# KiCad board jetson-nano-baseboard.kicad_pcb (continued)
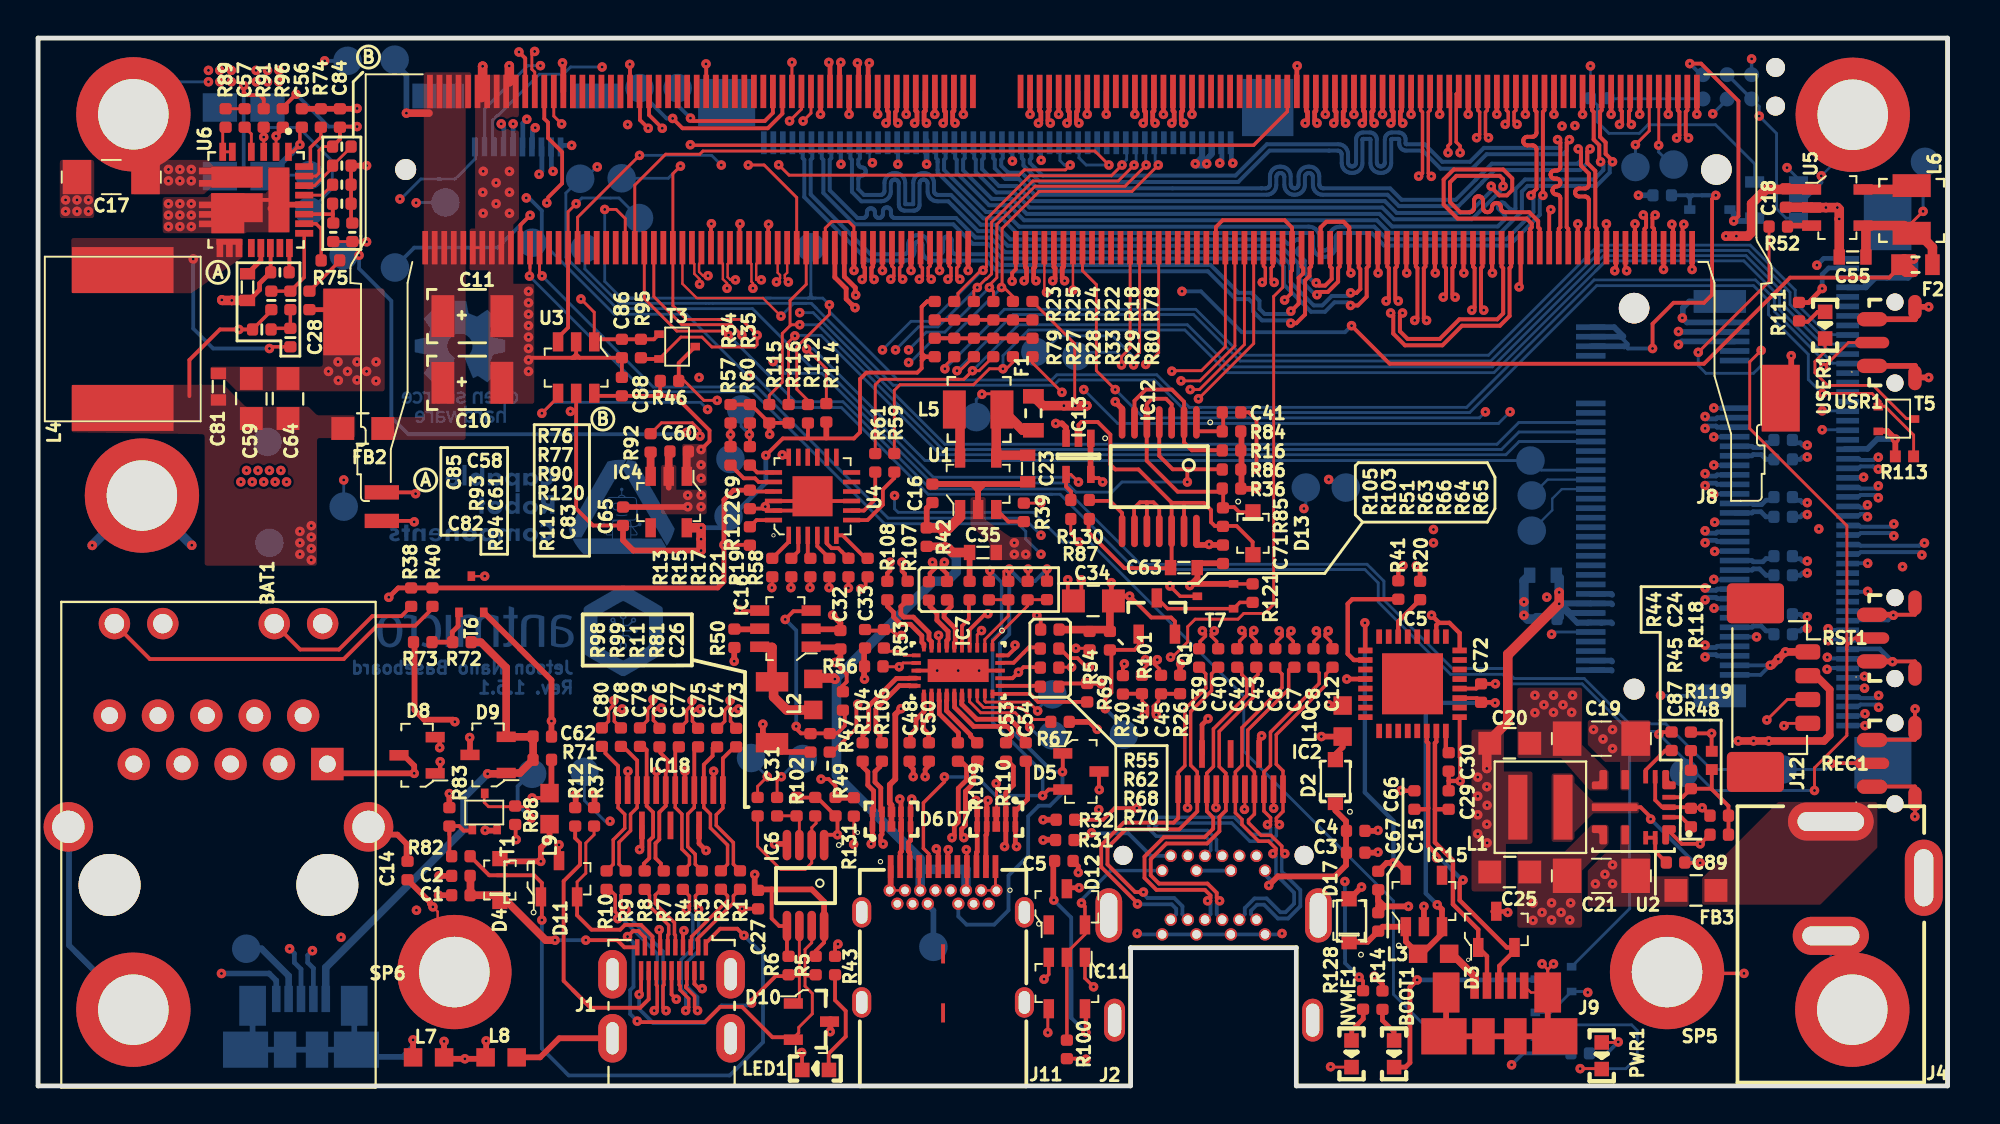
[diagram p0: board, top side]
## Routing (per net, layer and track width the routed paths; a pad name or vN(x,y) marks a point on that pad's centre or on a via; arc(x,y) is an arc through that point) (continued)
  Bottom w0.21: 94.84,32.44 95.57,32.44 95.66,32.52 96.33,32.52 96.48,32.37
  vias: v1(96.59,32.37)
/CSI/CSI_A_CLK_P: length 43.3
  Top w0.21: M1.12 84.32,44.99 84.4,45.07 84.4,45.57 v1(84.26,45.72)
  In3_SIGNAL.Cu w0.138: 96.48,33 96.29,32.82 96.14,32.82 95.74,33.22 95.74,41.63 94.77,42.6 92.29,42.6 92.26,42.6 92.23,42.61 92.21,42.63 92.18,42.65 92.17,42.68 92.16,42.71 92.15,42.74 92.15,42.9 92.15,42.99 92.12,43.07 92.07,43.14 92.01,43.2 91.94,43.24 91.86,43.27 91.78,43.28 91.73,43.28 91.65,43.27 91.57,43.24 91.49,43.2 91.44,43.14 91.39,43.07 91.36,42.99 91.35,42.9 91.35,41.66 91.35,41.63 91.34,41.6 91.32,41.57 91.3,41.55 91.27,41.54 91.25,41.52 91.21,41.52 91.18,41.52 91.15,41.54 91.13,41.55 91.11,41.57 91.09,41.6 91.08,41.63 91.08,41.66 91.08,42.9 91.07,42.99 91.04,43.07 90.99,43.14 90.93,43.2 90.86,43.24 90.78,43.27 90.7,43.28 90.65,43.28 90.57,43.27 90.49,43.24 90.42,43.2 90.36,43.14 90.31,43.07 90.28,42.99 90.27,42.9 90.27,41.66 90.27,41.63 90.26,41.6 90.24,41.57 90.22,41.55 90.2,41.54 90.17,41.52 90.14,41.52 90.11,41.52 90.08,41.54 90.05,41.55 90.03,41.57 90.01,41.6 90,41.63 90,41.66 90,43.1 89.99,43.19 89.96,43.27 89.92,43.34 89.86,43.4 89.78,43.44 89.7,43.47 89.62,43.48 89.57,43.48 89.49,43.47 89.41,43.44 89.34,43.4 89.28,43.34 89.23,43.27 89.21,43.19 89.2,43.1 89.2,41.66 89.19,41.63 89.18,41.6 89.17,41.57 89.14,41.55 89.12,41.54 89.09,41.52 89.06,41.52 89.03,41.52 89,41.54 88.97,41.55 88.95,41.57 88.93,41.6 88.92,41.63 88.92,41.66 88.92,42.22 88.91,42.31 88.88,42.39 88.84,42.46 88.78,42.52 88.71,42.56 88.63,42.59 88.54,42.6 88.41,42.6 88.05,42.24 88.05,41.99 87.62,41.56 87.44,41.56 87.16,41.83 87.16,42.12 87.73,42.69 87.73,44.27 88.14,44.68 88.14,46 87.39,46.74 86.52,46.74 86.48,46.75 86.44,46.76 86.41,46.78 86.38,46.81 86.36,46.84 86.35,46.88 86.35,46.91 86.35,47.54 86.34,47.63 86.31,47.72 86.26,47.79 86.2,47.86 86.12,47.91 86.03,47.94 85.94,47.95 85.89,47.95 85.8,47.94 85.72,47.91 85.64,47.86 85.57,47.79 85.53,47.72 85.5,47.63 85.49,47.54 85.49,46.91 85.48,46.88 85.47,46.84 85.45,46.81 85.42,46.78 85.39,46.76 85.35,46.75 85.32,46.74 84.92,46.74 84.44,46.26 84.44,45.9 v1(84.26,45.72)
  Bottom w0.21: 94.84,32.94 95.57,32.94 95.66,32.85 96.33,32.85 96.48,33
  vias: v1(96.59,33)
/CSI/CSI_A_D0_N: length 43.5
  Top w0.21: M1.4 86.32,45.16 v1(86.38,45.23)
  In3_SIGNAL.Cu w0.138: v1(96.59,30.87) 96.41,31.05 95.5,31.05 94.84,31.71 94.84,37.71 94.83,37.73 94.83,37.75 94.82,37.77 94.8,37.79 94.78,37.8 94.76,37.8 94.74,37.81 94.59,37.81 94.52,37.81 94.45,37.84 94.38,37.88 94.33,37.93 94.29,38 94.27,38.07 94.26,38.14 94.26,38.33 94.27,38.41 94.29,38.48 94.33,38.54 94.38,38.6 94.45,38.64 94.52,38.66 94.59,38.67 94.74,38.67 94.76,38.67 94.78,38.68 94.8,38.69 94.82,38.7 94.83,38.72 94.83,38.74 94.84,38.76 94.84,39.52 94.25,40.11 94.14,40.11 94.06,40.12 93.98,40.14 93.91,40.19 93.85,40.25 93.8,40.32 93.78,40.4 93.77,40.48 93.77,41 93.76,41.03 93.75,41.06 93.74,41.09 93.71,41.11 93.69,41.12 93.66,41.14 93.63,41.14 93.6,41.14 93.57,41.12 93.54,41.11 93.52,41.09 93.5,41.06 93.49,41.03 93.49,41 93.49,39.35 93.48,39.27 93.45,39.19 93.41,39.12 93.35,39.06 93.28,39.01 93.2,38.98 93.11,38.98 93.07,38.98 92.98,38.98 92.9,39.01 92.83,39.06 92.77,39.12 92.73,39.19 92.7,39.27 92.69,39.35 92.69,41.1 92.69,41.13 92.67,41.16 92.66,41.19 92.64,41.21 92.61,41.22 92.58,41.24 92.55,41.24 92.52,41.24 92.49,41.22 92.46,41.21 92.44,41.19 92.43,41.16 92.42,41.13 92.41,41.1 92.41,39.35 92.4,39.27 92.38,39.19 92.33,39.12 92.27,39.06 92.2,39.01 92.12,38.98 92.03,38.98 91.99,38.98 91.9,38.98 91.82,39.01 91.75,39.06 91.69,39.12 91.65,39.19 91.62,39.27 91.61,39.35 91.61,40.59 91.61,40.62 91.6,40.64 91.59,40.65 91.58,40.67 91.56,40.68 91.54,40.69 91.52,40.69 91.43,40.69 91.41,40.69 91.39,40.68 91.37,40.67 91.36,40.65 91.34,40.64 91.34,40.62 91.33,40.59 91.33,39.35 91.33,39.27 91.3,39.19 91.25,39.12 91.19,39.06 91.12,39.01 91.04,38.98 90.96,38.98 90.91,38.98 90.83,38.98 90.75,39.01 90.67,39.06 90.62,39.12 90.57,39.19 90.54,39.27 90.53,39.35 90.53,40.59 90.53,40.62 90.52,40.64 90.51,40.65 90.5,40.67 90.48,40.68 90.46,40.69 90.44,40.69 90.35,40.69 90.33,40.69 90.31,40.68 90.29,40.67 90.28,40.65 90.27,40.64 90.26,40.62 90.26,40.59 90.26,39.35 90.25,39.27 90.22,39.19 90.17,39.12 90.11,39.06 90.04,39.01 89.96,38.98 89.88,38.98 89.83,38.98 89.75,38.98 89.67,39.01 89.6,39.06 89.54,39.12 89.49,39.19 89.46,39.27 89.45,39.35 89.45,39.97 89.45,40 89.44,40.03 89.42,40.06 89.4,40.08 89.38,40.09 89.35,40.1 89.32,40.11 88.84,40.11 88.81,40.1 88.78,40.09 88.75,40.07 88.72,40.05 88.71,40.02 88.69,39.99 88.69,39.96 88.69,39.92 88.69,39.89 88.68,39.85 88.66,39.83 88.63,39.8 88.61,39.78 88.57,39.77 88.54,39.77 88.51,39.77 88.48,39.78 88.45,39.8 88.42,39.83 88.41,39.85 88.39,39.89 88.39,39.92 88.39,39.96 88.39,39.99 88.38,40.02 88.36,40.05 88.33,40.07 88.31,40.09 88.27,40.1 88.24,40.11 87.31,40.11 85.92,41.5 85.92,43.57 87.15,44.81 87.15,45.36 86.93,45.59 86.27,45.59 86.2,45.52 86.2,45.41 v1(86.38,45.23)
  Bottom w0.21: 94.84,30.94 95.57,30.94 95.66,31.02 96.45,31.02 v1(96.59,30.87)
/CSI/CSI_A_D0_P: length 43.6
  Top w0.21: M1.6 85.82,45.16 v1(85.76,45.23)
  In3_SIGNAL.Cu w0.138: v1(96.59,31.5) 96.41,31.32 95.61,31.32 95.1,31.82 95.1,37.73 95.09,37.81 95.07,37.88 95.03,37.94 94.97,38 94.91,38.04 94.84,38.06 94.76,38.07 94.61,38.07 94.59,38.07 94.57,38.08 94.55,38.09 94.54,38.1 94.53,38.12 94.52,38.14 94.52,38.16 94.52,38.31 94.52,38.33 94.53,38.35 94.54,38.37 94.55,38.39 94.57,38.4 94.59,38.4 94.61,38.41 94.76,38.41 94.84,38.41 94.91,38.44 94.97,38.48 95.03,38.53 95.07,38.6 95.09,38.67 95.1,38.74 95.1,39.63 94.36,40.37 94.17,40.37 94.14,40.37 94.11,40.38 94.08,40.4 94.06,40.42 94.04,40.45 94.03,40.48 94.03,40.51 94.03,41.02 94.02,41.11 93.99,41.19 93.95,41.26 93.89,41.32 93.82,41.36 93.74,41.39 93.65,41.4 93.61,41.4 93.52,41.39 93.44,41.36 93.37,41.32 93.31,41.26 93.27,41.19 93.24,41.11 93.23,41.02 93.23,39.38 93.22,39.35 93.21,39.32 93.2,39.29 93.18,39.27 93.15,39.25 93.12,39.24 93.09,39.24 93.06,39.24 93.03,39.25 93,39.27 92.98,39.29 92.97,39.32 92.96,39.35 92.95,39.38 92.95,41.12 92.94,41.21 92.91,41.29 92.87,41.36 92.81,41.42 92.74,41.46 92.66,41.49 92.57,41.5 92.53,41.5 92.44,41.49 92.36,41.46 92.29,41.42 92.23,41.36 92.19,41.29 92.16,41.21 92.15,41.12 92.15,39.38 92.15,39.35 92.14,39.32 92.12,39.29 92.1,39.27 92.07,39.25 92.04,39.24 92.01,39.24 91.98,39.24 91.95,39.25 91.93,39.27 91.9,39.29 91.89,39.32 91.88,39.35 91.87,39.38 91.87,40.62 91.87,40.69 91.84,40.76 91.8,40.83 91.75,40.88 91.68,40.92 91.61,40.94 91.54,40.95 91.41,40.95 91.33,40.94 91.26,40.92 91.2,40.88 91.14,40.83 91.1,40.76 91.08,40.69 91.07,40.62 91.07,39.38 91.07,39.35 91.06,39.32 91.04,39.29 91.02,39.27 90.99,39.25 90.96,39.24 90.93,39.24 90.9,39.24 90.87,39.25 90.85,39.27 90.83,39.29 90.81,39.32 90.8,39.35 90.8,39.38 90.8,40.62 90.79,40.69 90.76,40.76 90.72,40.83 90.67,40.88 90.61,40.92 90.53,40.94 90.46,40.95 90.33,40.95 90.25,40.94 90.18,40.92 90.12,40.88 90.07,40.83 90.03,40.76 90,40.69 89.99,40.62 89.99,39.38 89.99,39.35 89.98,39.32 89.96,39.29 89.94,39.27 89.92,39.25 89.89,39.24 89.86,39.24 89.82,39.24 89.8,39.25 89.77,39.27 89.75,39.29 89.73,39.32 89.72,39.35 89.72,39.38 89.72,39.99 89.71,40.08 89.68,40.16 89.64,40.23 89.58,40.29 89.5,40.33 89.42,40.36 89.34,40.37 87.42,40.37 86.18,41.61 86.18,43.47 87.42,44.7 87.42,45.47 87.03,45.85 86.16,45.85 85.94,45.63 85.94,45.41 v1(85.76,45.23)
  Bottom w0.21: v1(96.59,31.5) 96.45,31.35 95.66,31.35 95.57,31.44 94.84,31.44
/CSI/CSI_A_D1_N: length 43.4
  Top w0.21: v1(83.38,42.79) 83.32,42.85 M1.16
  In3_SIGNAL.Cu w0.138: v1(83.38,42.79) 83.2,42.97 83.2,43.22 83.44,43.46 84.14,43.46 84.42,43.18 84.42,42.18 85.19,41.42 85.19,37.77 86,36.97 86.78,36.97 86.81,36.96 86.84,36.95 86.87,36.94 86.89,36.91 86.9,36.89 86.91,36.86 86.92,36.83 86.92,36.43 86.93,36.34 86.95,36.26 87,36.19 87.06,36.13 87.13,36.09 87.21,36.06 87.29,36.05 87.34,36.05 87.43,36.06 87.51,36.09 87.58,36.13 87.64,36.19 87.68,36.26 87.71,36.34 87.72,36.43 87.72,37.75 87.72,37.78 87.73,37.81 87.75,37.83 87.77,37.85 87.8,37.87 87.83,37.88 87.86,37.88 87.89,37.88 87.92,37.87 87.94,37.85 87.96,37.83 87.98,37.81 87.99,37.78 88,37.75 88,36.43 88,36.34 88.03,36.26 88.08,36.19 88.14,36.13 88.21,36.09 88.29,36.06 88.37,36.05 88.42,36.05 88.5,36.06 88.58,36.09 88.65,36.13 88.71,36.19 88.76,36.26 88.79,36.34 88.8,36.43 88.8,37.75 88.8,37.78 88.81,37.81 88.83,37.83 88.85,37.85 88.88,37.87 88.9,37.88 88.94,37.88 88.97,37.88 88.99,37.87 89.02,37.85 89.04,37.83 89.06,37.81 89.07,37.78 89.07,37.75 89.07,36.43 89.08,36.34 89.11,36.26 89.16,36.19 89.22,36.13 89.29,36.09 89.37,36.06 89.45,36.05 89.5,36.05 89.58,36.06 89.66,36.09 89.73,36.13 89.79,36.19 89.84,36.26 89.87,36.34 89.88,36.43 89.88,37.75 89.88,37.78 89.89,37.81 89.91,37.83 89.93,37.85 89.95,37.87 89.98,37.88 90.01,37.88 90.04,37.88 90.07,37.87 90.1,37.85 90.12,37.83 90.14,37.81 90.15,37.78 90.15,37.75 90.15,36.43 90.16,36.34 90.19,36.26 90.23,36.19 90.29,36.13 90.36,36.09 90.44,36.06 90.53,36.05 90.58,36.05 90.66,36.06 90.74,36.09 90.81,36.13 90.87,36.19 90.92,36.26 90.94,36.34 90.95,36.43 90.95,37.75 90.96,37.78 90.97,37.81 90.98,37.83 91,37.85 91.03,37.87 91.06,37.88 91.09,37.88 91.12,37.88 91.15,37.87 91.18,37.85 91.2,37.83 91.22,37.81 91.23,37.78 91.23,37.75 91.23,36.43 91.24,36.34 91.27,36.26 91.31,36.19 91.37,36.13 91.44,36.09 91.52,36.06 91.61,36.05 91.65,36.05 91.74,36.06 91.82,36.09 91.89,36.13 91.95,36.19 91.99,36.26 92.02,36.34 92.03,36.43 ; v1(96.02,29.87) 95.84,30.05 94.97,30.05 94.8,30.22 94.78,30.24 94.75,30.25 94.72,30.26 94.69,30.26 94.66,30.25 94.63,30.24 94.61,30.22 94.57,30.18 94.54,30.16 94.51,30.14 94.48,30.14 94.45,30.14 94.42,30.14 94.4,30.16 94.37,30.18 94.35,30.2 94.34,30.23 94.33,30.26 94.33,30.29 94.34,30.32 94.35,30.35 94.37,30.37 94.41,30.41 94.43,30.44 94.45,30.47 94.45,30.5 94.45,30.53 94.45,30.56 94.43,30.59 94.41,30.61 94.19,30.84 94.19,36.51 93.73,36.97 92.68,36.97 92.6,36.98 92.52,37 92.45,37.05 92.39,37.11 92.35,37.18 92.32,37.26 92.31,37.34 92.31,37.5 92.31,37.53 92.3,37.56 92.28,37.58 92.26,37.6 92.23,37.62 92.2,37.63 92.17,37.63 92.17,37.63 92.14,37.63 92.11,37.62 92.08,37.6 92.06,37.58 92.05,37.56 92.04,37.53 92.03,37.5 92.03,36.43
  Bottom w0.21: 94.84,29.94 95.57,29.94 95.66,30.02 95.88,30.02 v1(96.02,29.87)
/CSI/CSI_A_D1_P: length 43.4
  Top w0.21: v1(82.76,42.79) 82.82,42.85 M1.18
  In3_SIGNAL.Cu w0.138: v1(82.76,42.79) 82.94,42.97 82.94,43.33 83.33,43.73 84.25,43.73 84.69,43.29 84.69,42.29 85.45,41.53 85.45,37.88 86.11,37.23 86.8,37.23 86.89,37.22 86.97,37.19 87.04,37.15 87.1,37.09 87.14,37.02 87.17,36.94 87.18,36.85 87.18,36.45 87.18,36.42 87.19,36.39 87.21,36.36 87.23,36.34 87.26,36.33 87.29,36.32 87.32,36.31 87.35,36.32 87.38,36.33 87.4,36.34 87.43,36.36 87.44,36.39 87.45,36.42 87.46,36.45 87.46,37.77 87.47,37.85 87.49,37.93 87.54,38 87.6,38.06 87.67,38.11 87.75,38.14 87.83,38.15 87.88,38.15 87.96,38.14 88.04,38.11 88.12,38.06 88.18,38 88.22,37.93 88.25,37.85 88.26,37.77 88.26,36.45 88.26,36.42 88.27,36.39 88.29,36.36 88.31,36.34 88.34,36.33 88.37,36.32 88.4,36.31 88.43,36.32 88.46,36.33 88.48,36.34 88.5,36.36 88.52,36.39 88.53,36.42 88.53,36.45 88.53,37.77 88.54,37.85 88.57,37.93 88.62,38 88.68,38.06 88.75,38.11 88.83,38.14 88.91,38.15 88.96,38.15 89.04,38.14 89.12,38.11 89.19,38.06 89.25,38 89.3,37.93 89.33,37.85 89.34,37.77 89.34,36.45 89.34,36.42 89.35,36.39 89.37,36.36 89.39,36.34 89.41,36.33 89.44,36.32 89.47,36.31 89.5,36.32 89.53,36.33 89.56,36.34 89.58,36.36 89.6,36.39 89.61,36.42 89.61,36.45 89.61,37.77 89.62,37.85 89.65,37.93 89.69,38 89.75,38.06 89.83,38.11 89.91,38.14 89.99,38.15 90.04,38.15 90.12,38.14 90.2,38.11 90.27,38.06 90.33,38 90.38,37.93 90.4,37.85 90.41,37.77 90.41,36.45 90.42,36.42 90.43,36.39 90.44,36.36 90.47,36.34 90.49,36.33 90.52,36.32 90.55,36.31 90.58,36.32 90.61,36.33 90.64,36.34 90.66,36.36 90.68,36.39 90.69,36.42 90.69,36.45 90.69,37.77 90.7,37.85 90.73,37.93 90.77,38 90.83,38.06 90.9,38.11 90.98,38.14 91.07,38.15 91.11,38.15 91.2,38.14 91.28,38.11 91.35,38.06 91.41,38 91.45,37.93 91.48,37.85 91.49,37.77 91.49,36.45 91.5,36.42 91.51,36.39 91.52,36.36 91.54,36.34 91.57,36.33 91.6,36.32 91.63,36.31 91.66,36.32 91.69,36.33 91.72,36.34 91.74,36.36 91.75,36.39 91.76,36.42 91.77,36.45 91.77,37.52 91.78,37.6 91.81,37.68 91.85,37.75 91.91,37.81 91.98,37.86 92.06,37.89 92.15,37.9 92.2,37.9 92.28,37.89 92.36,37.86 92.43,37.81 92.49,37.75 92.53,37.68 92.56,37.6 92.57,37.52 92.57,37.37 92.58,37.34 92.59,37.31 92.6,37.28 92.62,37.26 92.65,37.24 92.68,37.23 92.71,37.23 93.84,37.23 94.45,36.62 94.45,30.95 95.08,30.32 95.84,30.32 v1(96.02,30.5)
  Bottom w0.21: v1(96.02,30.5) 95.88,30.35 95.66,30.35 95.57,30.44 94.84,30.44
/CSI/CSI_B_D0_N: length 43.4
  Top w0.21: v1(86.63,49.76) 86.49,49.9 86.49,51.13 86.57,51.21 M1.3
  In3_SIGNAL.Cu w0.138: v1(97.41,28.87) 97.23,29.05 96.99,29.05 96.63,29.42 96.63,30.07 97.21,30.65 97.21,33.01 96.78,33.44 96.68,33.44 96.14,33.98 96.14,34.79 96.15,34.88 96.18,34.97 96.23,35.05 96.29,35.11 96.37,35.16 96.46,35.19 96.55,35.2 97.15,35.2 97.19,35.2 97.22,35.22 97.26,35.24 97.28,35.26 97.3,35.29 97.31,35.33 97.32,35.37 97.31,35.41 97.3,35.44 97.28,35.47 97.26,35.5 97.22,35.52 97.19,35.53 97.15,35.54 96.55,35.54 96.46,35.55 96.37,35.58 96.29,35.62 96.23,35.69 96.18,35.77 96.15,35.85 96.14,35.94 96.14,38.02 96.15,38.11 96.18,38.2 96.23,38.27 96.29,38.34 96.37,38.39 96.46,38.42 96.55,38.43 97.45,38.43 97.49,38.43 97.53,38.44 97.56,38.46 97.58,38.49 97.6,38.52 97.62,38.56 97.62,38.59 97.62,38.63 97.6,38.67 97.58,38.7 97.56,38.73 97.53,38.75 97.49,38.76 97.45,38.76 96.55,38.76 96.46,38.77 96.37,38.8 96.29,38.85 96.23,38.92 96.18,38.99 96.15,39.08 96.14,39.17 96.14,39.22 96.15,39.31 96.18,39.4 96.23,39.47 96.29,39.54 96.37,39.59 96.46,39.62 96.55,39.63 97.45,39.63 97.49,39.63 97.53,39.64 97.56,39.66 97.58,39.69 97.6,39.72 97.62,39.76 97.62,39.79 97.62,39.83 97.6,39.87 97.58,39.9 97.56,39.93 97.53,39.95 97.49,39.96 97.45,39.96 96.55,39.96 96.46,39.97 96.37,40 96.29,40.05 96.23,40.12 96.18,40.19 96.15,40.28 96.14,40.37 96.14,42.12 94.68,43.57 90.11,43.57 90.05,43.61 89.63,44.03 89.63,47.67 89.62,47.71 89.61,47.74 89.59,47.78 89.56,47.81 89.53,47.83 89.49,47.84 89.45,47.84 89.43,47.84 89.4,47.85 89.36,47.86 89.33,47.88 89.3,47.91 89.28,47.94 89.26,47.98 89.26,48.02 89.26,48.06 89.28,48.09 89.3,48.13 89.33,48.16 89.36,48.18 89.4,48.19 89.43,48.19 89.45,48.19 89.49,48.2 89.53,48.21 89.56,48.23 89.59,48.26 89.61,48.29 89.62,48.33 89.63,48.37 89.63,49.08 88.44,50.27 86.5,50.27 86.45,50.22 86.45,49.94 v1(86.63,49.76)
  Bottom w0.21: 94.84,28.94 95.57,28.94 95.66,29.02 97.26,29.02 v1(97.41,28.87)
/CSI/CSI_B_D0_P: length 43.4
  Top w0.21: v1(86.01,49.76) 86.15,49.9 86.15,51.13 86.07,51.21 M1.5
  In3_SIGNAL.Cu w0.138: v1(86.01,49.76) 86.19,49.94 86.19,50.33 86.39,50.53 88.55,50.53 89.89,49.19 89.89,44.14 90.2,43.84 94.79,43.84 96.4,42.23 96.4,40.39 96.41,40.36 96.42,40.32 96.44,40.29 96.47,40.26 96.5,40.24 96.53,40.23 96.57,40.23 97.48,40.23 97.57,40.22 97.65,40.19 97.73,40.14 97.8,40.07 97.84,40 97.87,39.91 97.88,39.82 97.88,39.77 97.87,39.68 97.84,39.59 97.8,39.52 97.73,39.45 97.65,39.4 97.57,39.37 97.48,39.36 96.57,39.36 96.53,39.36 96.5,39.35 96.47,39.33 96.44,39.3 96.42,39.27 96.41,39.23 96.4,39.19 96.41,39.16 96.42,39.12 96.44,39.09 96.47,39.06 96.5,39.04 96.53,39.03 96.57,39.03 97.48,39.03 97.57,39.02 97.65,38.99 97.73,38.94 97.8,38.87 97.84,38.8 97.87,38.71 97.88,38.62 97.88,38.57 97.87,38.48 97.84,38.39 97.8,38.32 97.73,38.25 97.65,38.2 97.57,38.17 97.48,38.16 96.57,38.16 96.53,38.16 96.5,38.15 96.47,38.13 96.44,38.1 96.42,38.07 96.41,38.03 96.4,37.99 96.4,35.97 96.41,35.93 96.42,35.89 96.44,35.86 96.47,35.84 96.5,35.82 96.53,35.8 96.57,35.8 97.18,35.8 97.27,35.79 97.35,35.76 97.43,35.71 97.49,35.65 97.54,35.57 97.57,35.48 97.58,35.39 97.58,35.34 97.57,35.25 97.54,35.17 97.49,35.09 97.43,35.02 97.35,34.98 97.27,34.95 97.18,34.94 96.57,34.94 96.53,34.93 96.5,34.92 96.47,34.9 96.44,34.87 96.42,34.84 96.41,34.81 96.4,34.77 96.4,34.09 96.79,33.7 96.89,33.7 97.47,33.12 97.47,30.55 96.89,29.96 96.89,29.53 97.1,29.32 97.23,29.32 v1(97.41,29.5)
  Bottom w0.21: 94.84,29.44 95.57,29.44 95.66,29.35 97.26,29.35 v1(97.41,29.5)
/CSI/CSI_B_D1_N: length 43.4
  Top w0.21: v1(83.63,50.47) 83.51,50.59 83.51,51.15 83.57,51.21 M1.15
  In3_SIGNAL.Cu w0.138: v1(83.63,50.47) 83.45,50.65 83.45,51.53 83.71,51.79 88.2,51.79 90.85,49.13 90.85,44.73 91.32,44.26 95.53,44.26 98.28,41.5 98.28,30.78 98.27,30.75 98.26,30.72 98.24,30.69 98.22,30.66 98.19,30.65 98.16,30.63 98.13,30.63 98.02,30.63 97.99,30.63 97.96,30.62 97.93,30.6 97.91,30.57 97.89,30.55 97.88,30.51 97.87,30.48 97.88,30.45 97.89,30.42 97.91,30.39 97.93,30.36 97.96,30.35 97.99,30.33 98.02,30.33 98.13,30.33 98.16,30.33 98.19,30.32 98.22,30.3 98.24,30.27 98.26,30.25 98.27,30.21 98.28,30.18 98.28,28.48 v1(98.88,27.87) 98.88,28
  Bottom w0.21: 94.84,27.94 95.57,27.94 95.66,28.02 98.73,28.02 v1(98.88,27.87)
/CSI/CSI_B_D1_P: length 43.4
  Top w0.21: v1(83.01,50.47) 83.13,50.59 83.13,51.15 83.07,51.21 M1.17
  In3_SIGNAL.Cu w0.138: v1(83.01,50.47) 83.19,50.65 83.19,51.64 83.6,52.05 88.31,52.05 91.12,49.24 91.12,44.83 91.43,44.52 95.63,44.52 98.54,41.61 98.54,28.58 98.63,28.5 v1(99.01,28.5) 98.95,28.56
  Bottom w0.21: 94.84,28.44 95.57,28.44 95.66,28.35 98.73,28.35 98.95,28.56 v1(99.01,28.5)
/CSI/CSI_C_CLK_N: length 55.7
  Top w0.21: v1(74.38,41.4) 74.24,41.55 74.24,42.93 74.32,43.01 M1.52
  In5_3V3_SYS_SIGNAL.Cu w0.128: v1(74.38,41.4) 74.2,41.59 74.2,41.79 74.27,41.86 76.46,41.86 77.51,40.8 77.51,37.07 80.48,34.1 80.48,33.37 80.48,33.34 80.47,33.32 80.45,33.29 80.43,33.27 80.41,33.26 80.38,33.25 80.35,33.24 80.1,33.24 80.02,33.24 79.94,33.21 79.87,33.17 79.81,33.11 79.77,33.04 79.75,32.97 79.74,32.89 79.74,32.84 79.75,32.76 79.77,32.69 79.81,32.62 79.87,32.56 79.94,32.52 80.02,32.49 80.1,32.48 81.1,32.48 81.13,32.48 81.16,32.47 81.18,32.45 81.2,32.43 81.22,32.41 81.22,32.38 81.23,32.35 81.22,32.33 81.22,32.3 81.2,32.27 81.18,32.25 81.16,32.24 81.13,32.23 81.1,32.23 80.1,32.23 80.02,32.22 79.94,32.19 79.87,32.15 79.81,32.09 79.77,32.02 79.75,31.95 79.74,31.87 79.74,31.82 79.75,31.74 79.77,31.67 79.81,31.6 79.87,31.54 79.94,31.5 80.02,31.47 80.1,31.46 81.1,31.46 81.13,31.46 81.16,31.45 81.18,31.44 81.2,31.42 81.22,31.39 81.22,31.36 81.23,31.34 81.22,31.31 81.22,31.28 81.2,31.26 81.18,31.24 81.16,31.22 81.13,31.21 81.1,31.21 80.1,31.21 80.02,31.2 79.94,31.17 79.87,31.13 79.81,31.07 79.77,31.01 79.75,30.93 79.74,30.85 79.74,30.81 79.75,30.73 79.77,30.65 79.81,30.58 79.87,30.52 79.94,30.48 80.02,30.46 80.1,30.45 81.1,30.45 81.13,30.44 81.16,30.43 81.18,30.42 81.2,30.4 81.22,30.37 81.22,30.35 81.23,30.32 81.22,30.29 81.22,30.26 81.2,30.24 81.18,30.22 81.16,30.2 81.13,30.19 81.1,30.19 80.1,30.19 80.02,30.18 79.94,30.15 79.87,30.11 79.81,30.06 79.77,29.99 79.75,29.91 79.74,29.83 79.74,29.79 79.75,29.71 79.77,29.63 79.81,29.56 79.87,29.51 79.94,29.46 80.02,29.44 80.1,29.43 81.1,29.43 81.13,29.43 81.16,29.42 81.18,29.4 81.2,29.38 81.22,29.36 81.22,29.33 81.23,29.3 81.22,29.27 81.22,29.24 81.2,29.22 81.18,29.2 81.16,29.18 81.13,29.18 81.1,29.17 80.1,29.17 80.02,29.16 79.94,29.14 79.87,29.09 79.81,29.04 79.77,28.97 79.75,28.89 79.74,28.81 79.74,28.77 79.75,28.69 79.77,28.61 79.81,28.55 79.87,28.49 79.94,28.45 80.02,28.42 80.1,28.41 81.1,28.41 81.13,28.41 81.16,28.4 81.18,28.38 81.2,28.36 81.22,28.34 81.22,28.31 81.23,28.28 81.22,28.25 81.22,28.23 81.2,28.2 81.18,28.18 81.16,28.17 81.13,28.16 81.1,28.15 80.1,28.15 80.02,28.15 79.94,28.12 79.87,28.08 79.81,28.02 79.77,27.95 79.75,27.88 79.74,27.8 79.74,27.75 79.75,27.67 79.77,27.6 79.81,27.53 79.87,27.47 79.94,27.43 80.02,27.4 80.1,27.39 81.1,27.39 81.13,27.39 81.16,27.38 81.18,27.36 81.2,27.34 81.22,27.32 81.22,27.29 81.23,27.26 81.22,27.24 81.22,27.21 81.2,27.18 81.18,27.16 81.16,27.15 81.13,27.14 81.1,27.14 80.84,27.14 80.76,27.13 80.69,27.1 80.62,27.06 80.56,27 80.52,26.93 80.49,26.86 80.48,26.78 80.48,25.68 81.66,24.5 84.36,24.5 87.09,21.77 89.91,21.77 91.45,23.31 92.17,23.31 92.2,23.31 92.23,23.3 92.26,23.28 92.29,23.26 92.3,23.23 92.31,23.2 92.32,23.16 92.32,23.12 92.32,23.09 92.33,23.06 92.35,23.03 92.38,23.01 92.4,22.99 92.44,22.98 92.47,22.97 92.5,22.98 92.53,22.99 92.56,23.01 92.59,23.03 92.6,23.06 92.61,23.09 92.62,23.12 92.62,23.16 92.62,23.2 92.63,23.23 92.65,23.26 92.68,23.28 92.7,23.3 92.74,23.31 92.77,23.31 93.34,23.31 93.58,23.56 93.77,23.56 v1(93.96,23.37)
  Bottom w0.21: v1(93.96,23.37) 94.02,23.44 94.84,23.44
/CSI/CSI_C_CLK_P: length 55.7
  Top w0.21: v1(73.76,41.4) 73.9,41.55 73.9,42.93 73.82,43.01 73.82,44
  In5_3V3_SYS_SIGNAL.Cu w0.128: v1(93.96,24) 93.77,23.81 93.48,23.81 93.23,23.57 91.35,23.57 89.8,22.02 87.2,22.02 84.47,24.75 81.77,24.75 80.74,25.78 80.74,26.76 80.74,26.78 80.75,26.81 80.76,26.84 80.78,26.86 80.81,26.87 80.83,26.88 80.86,26.88 81.12,26.88 81.2,26.89 81.28,26.92 81.35,26.96 81.4,27.02 81.45,27.09 81.47,27.16 81.48,27.24 81.48,27.29 81.47,27.37 81.45,27.44 81.4,27.51 81.35,27.57 81.28,27.61 81.2,27.64 81.12,27.65 80.12,27.65 80.09,27.65 80.06,27.66 80.04,27.67 80.02,27.69 80,27.72 79.99,27.74 79.99,27.77 79.99,27.8 80,27.83 80.02,27.85 80.04,27.87 80.06,27.89 80.09,27.9 80.12,27.9 81.12,27.9 81.2,27.91 81.28,27.94 81.35,27.98 81.4,28.04 81.45,28.1 81.47,28.18 81.48,28.26 81.48,28.3 81.47,28.38 81.45,28.46 81.4,28.53 81.35,28.58 81.28,28.63 81.2,28.65 81.12,28.66 80.12,28.66 80.09,28.67 80.06,28.68 80.04,28.69 80.02,28.71 80,28.74 79.99,28.76 79.99,28.79 79.99,28.82 80,28.85 80.02,28.87 80.04,28.89 80.06,28.91 80.09,28.92 80.12,28.92 81.12,28.92 81.2,28.93 81.28,28.95 81.35,29 81.4,29.05 81.45,29.12 81.47,29.2 81.48,29.28 81.48,29.32 81.47,29.4 81.45,29.48 81.4,29.55 81.35,29.6 81.28,29.65 81.2,29.67 81.12,29.68 80.12,29.68 80.09,29.68 80.06,29.69 80.04,29.71 80.02,29.73 80,29.75 79.99,29.78 79.99,29.81 79.99,29.84 80,29.86 80.02,29.89 80.04,29.91 80.06,29.92 80.09,29.93 80.12,29.94 81.12,29.94 81.2,29.95 81.28,29.97 81.35,30.02 81.4,30.07 81.45,30.14 81.47,30.22 81.48,30.3 81.48,30.34 81.47,30.42 81.45,30.5 81.4,30.56 81.35,30.62 81.28,30.66 81.2,30.69 81.12,30.7 80.12,30.7 80.09,30.7 80.06,30.71 80.04,30.73 80.02,30.75 80,30.77 79.99,30.8 79.99,30.83 79.99,30.86 80,30.88 80.02,30.91 80.04,30.93 80.06,30.94 80.09,30.95 80.12,30.96 81.12,30.96 81.2,30.96 81.28,30.99 81.35,31.03 81.4,31.09 81.45,31.16 81.47,31.23 81.48,31.31 81.48,31.36 81.47,31.44 81.45,31.51 81.4,31.58 81.35,31.64 81.28,31.68 81.2,31.71 81.12,31.72 80.12,31.72 80.09,31.72 80.06,31.73 80.04,31.75 80.02,31.77 80,31.79 79.99,31.82 79.99,31.85 79.99,31.87 80,31.9 80.02,31.93 80.04,31.95 80.06,31.96 80.09,31.97 80.12,31.97 81.12,31.97 81.2,31.98 81.28,32.01 81.35,32.05 81.4,32.11 81.45,32.18 81.47,32.25 81.48,32.33 81.48,32.38 81.47,32.46 81.45,32.53 81.4,32.6 81.35,32.66 81.28,32.7 81.2,32.73 81.12,32.74 80.12,32.74 80.09,32.74 80.06,32.75 80.04,32.76 80.02,32.78 80,32.81 79.99,32.83 79.99,32.86 79.99,32.89 80,32.92 80.02,32.94 80.04,32.96 80.06,32.98 80.09,32.99 80.12,32.99 80.38,32.99 80.46,33 80.53,33.03 80.6,33.07 80.66,33.13 80.7,33.19 80.73,33.27 80.74,33.35 80.74,34.2 77.77,37.17 77.77,40.91 76.56,42.11 74.16,42.11 73.94,41.89 73.94,41.59 v1(73.76,41.4)
  Bottom w0.21: 94.84,23.94 94.02,23.94 v1(93.96,24)
/CSI/CSI_C_D0_N: length 55.7
  Top w0.21: v1(75.88,40.72) 75.74,40.86 75.74,42.93 75.82,43.01 M1.46
  In5_3V3_SYS_SIGNAL.Cu w0.128: 93.89,21.87 93.7,22.06 93.07,22.06 93.04,22.05 93.01,22.04 92.98,22.03 92.96,22 92.94,21.97 92.93,21.94 92.92,21.91 92.92,21.87 92.92,21.84 92.91,21.8 92.89,21.78 92.87,21.75 92.84,21.73 92.81,21.72 92.77,21.72 92.74,21.72 92.71,21.73 92.68,21.75 92.66,21.78 92.64,21.8 92.63,21.84 92.62,21.87 92.62,21.91 92.62,21.94 92.61,21.97 92.59,22 92.57,22.03 92.54,22.04 92.51,22.05 92.47,22.06 92.14,22.06 91.35,21.26 86.86,21.26 84.45,23.68 80.18,23.68 78.5,25.36 78.5,26.29 78.51,26.37 78.54,26.44 78.58,26.51 78.64,26.57 78.7,26.61 78.78,26.64 78.86,26.65 79.43,26.65 79.46,26.65 79.49,26.66 79.51,26.68 79.53,26.7 79.55,26.72 79.56,26.75 79.56,26.78 79.56,26.8 79.55,26.83 79.53,26.86 79.51,26.88 79.49,26.89 79.46,26.9 79.43,26.9 77.8,26.9 77.72,26.91 77.64,26.94 77.57,26.98 77.52,27.04 77.48,27.11 77.45,27.18 77.44,27.26 77.44,27.31 77.45,27.39 77.48,27.46 77.52,27.53 77.57,27.59 77.64,27.63 77.72,27.66 77.8,27.67 79.03,27.67 79.06,27.67 79.09,27.68 79.11,27.69 79.13,27.71 79.15,27.74 79.16,27.77 79.16,27.79 79.16,27.82 79.15,27.85 79.13,27.87 79.11,27.89 79.09,27.91 79.06,27.92 79.03,27.92 77.8,27.92 77.72,27.93 77.64,27.96 77.57,28 77.52,28.06 77.48,28.12 77.45,28.2 77.44,28.28 77.44,28.32 77.45,28.4 77.48,28.48 77.52,28.55 77.57,28.61 77.64,28.65 77.72,28.67 77.8,28.68 79.03,28.68 79.06,28.69 79.09,28.7 79.11,28.71 79.13,28.73 79.15,28.76 79.16,28.78 79.16,28.81 79.16,28.84 79.15,28.87 79.13,28.89 79.11,28.91 79.09,28.93 79.06,28.94 79.03,28.94 77.8,28.94 77.72,28.95 77.64,28.98 77.57,29.02 77.52,29.07 77.48,29.14 77.45,29.22 77.44,29.3 77.44,29.34 77.45,29.42 77.48,29.5 77.52,29.57 77.57,29.62 77.64,29.67 77.72,29.69 77.8,29.7 79.03,29.7 79.06,29.7 79.09,29.71 79.11,29.73 79.13,29.75 79.15,29.77 79.16,29.8 79.16,29.83 79.16,29.86 79.15,29.89 79.13,29.91 79.11,29.93 79.09,29.95 79.06,29.95 79.03,29.96 77.8,29.96 77.72,29.97 77.64,29.99 77.57,30.04 77.52,30.09 77.48,30.16 77.45,30.24 77.44,30.32 77.44,30.36 77.45,30.44 77.48,30.52 77.52,30.58 77.57,30.64 77.64,30.68 77.72,30.71 77.8,30.72 79.03,30.72 79.06,30.72 79.09,30.73 79.11,30.75 79.13,30.77 79.15,30.79 79.16,30.82 79.16,30.85 79.16,30.88 79.15,30.9 79.13,30.93 79.11,30.95 79.09,30.96 79.06,30.97 79.03,30.98 77.8,30.98 77.72,30.98 77.64,31.01 77.57,31.05 77.52,31.11 77.48,31.18 77.45,31.25 77.44,31.33 77.44,31.38 77.45,31.46 77.48,31.53 77.52,31.6 77.57,31.66 77.64,31.7 77.72,31.73 77.8,31.74 78.37,31.74 78.4,31.74 78.43,31.75 78.45,31.77 78.47,31.79 78.49,31.81 78.5,31.84 78.5,31.87 78.5,34.99 76.82,36.68 76.82,40.57 76.23,41.16 75.77,41.16 75.7,41.08 75.7,40.9 v1(75.88,40.72)
  Bottom w0.21: 93.89,21.87 93.92,21.87 93.98,21.94 94.84,21.94
  vias: v1(93.9,21.87)
